# KiCad board GDI-STM.kicad_pcb (continued)
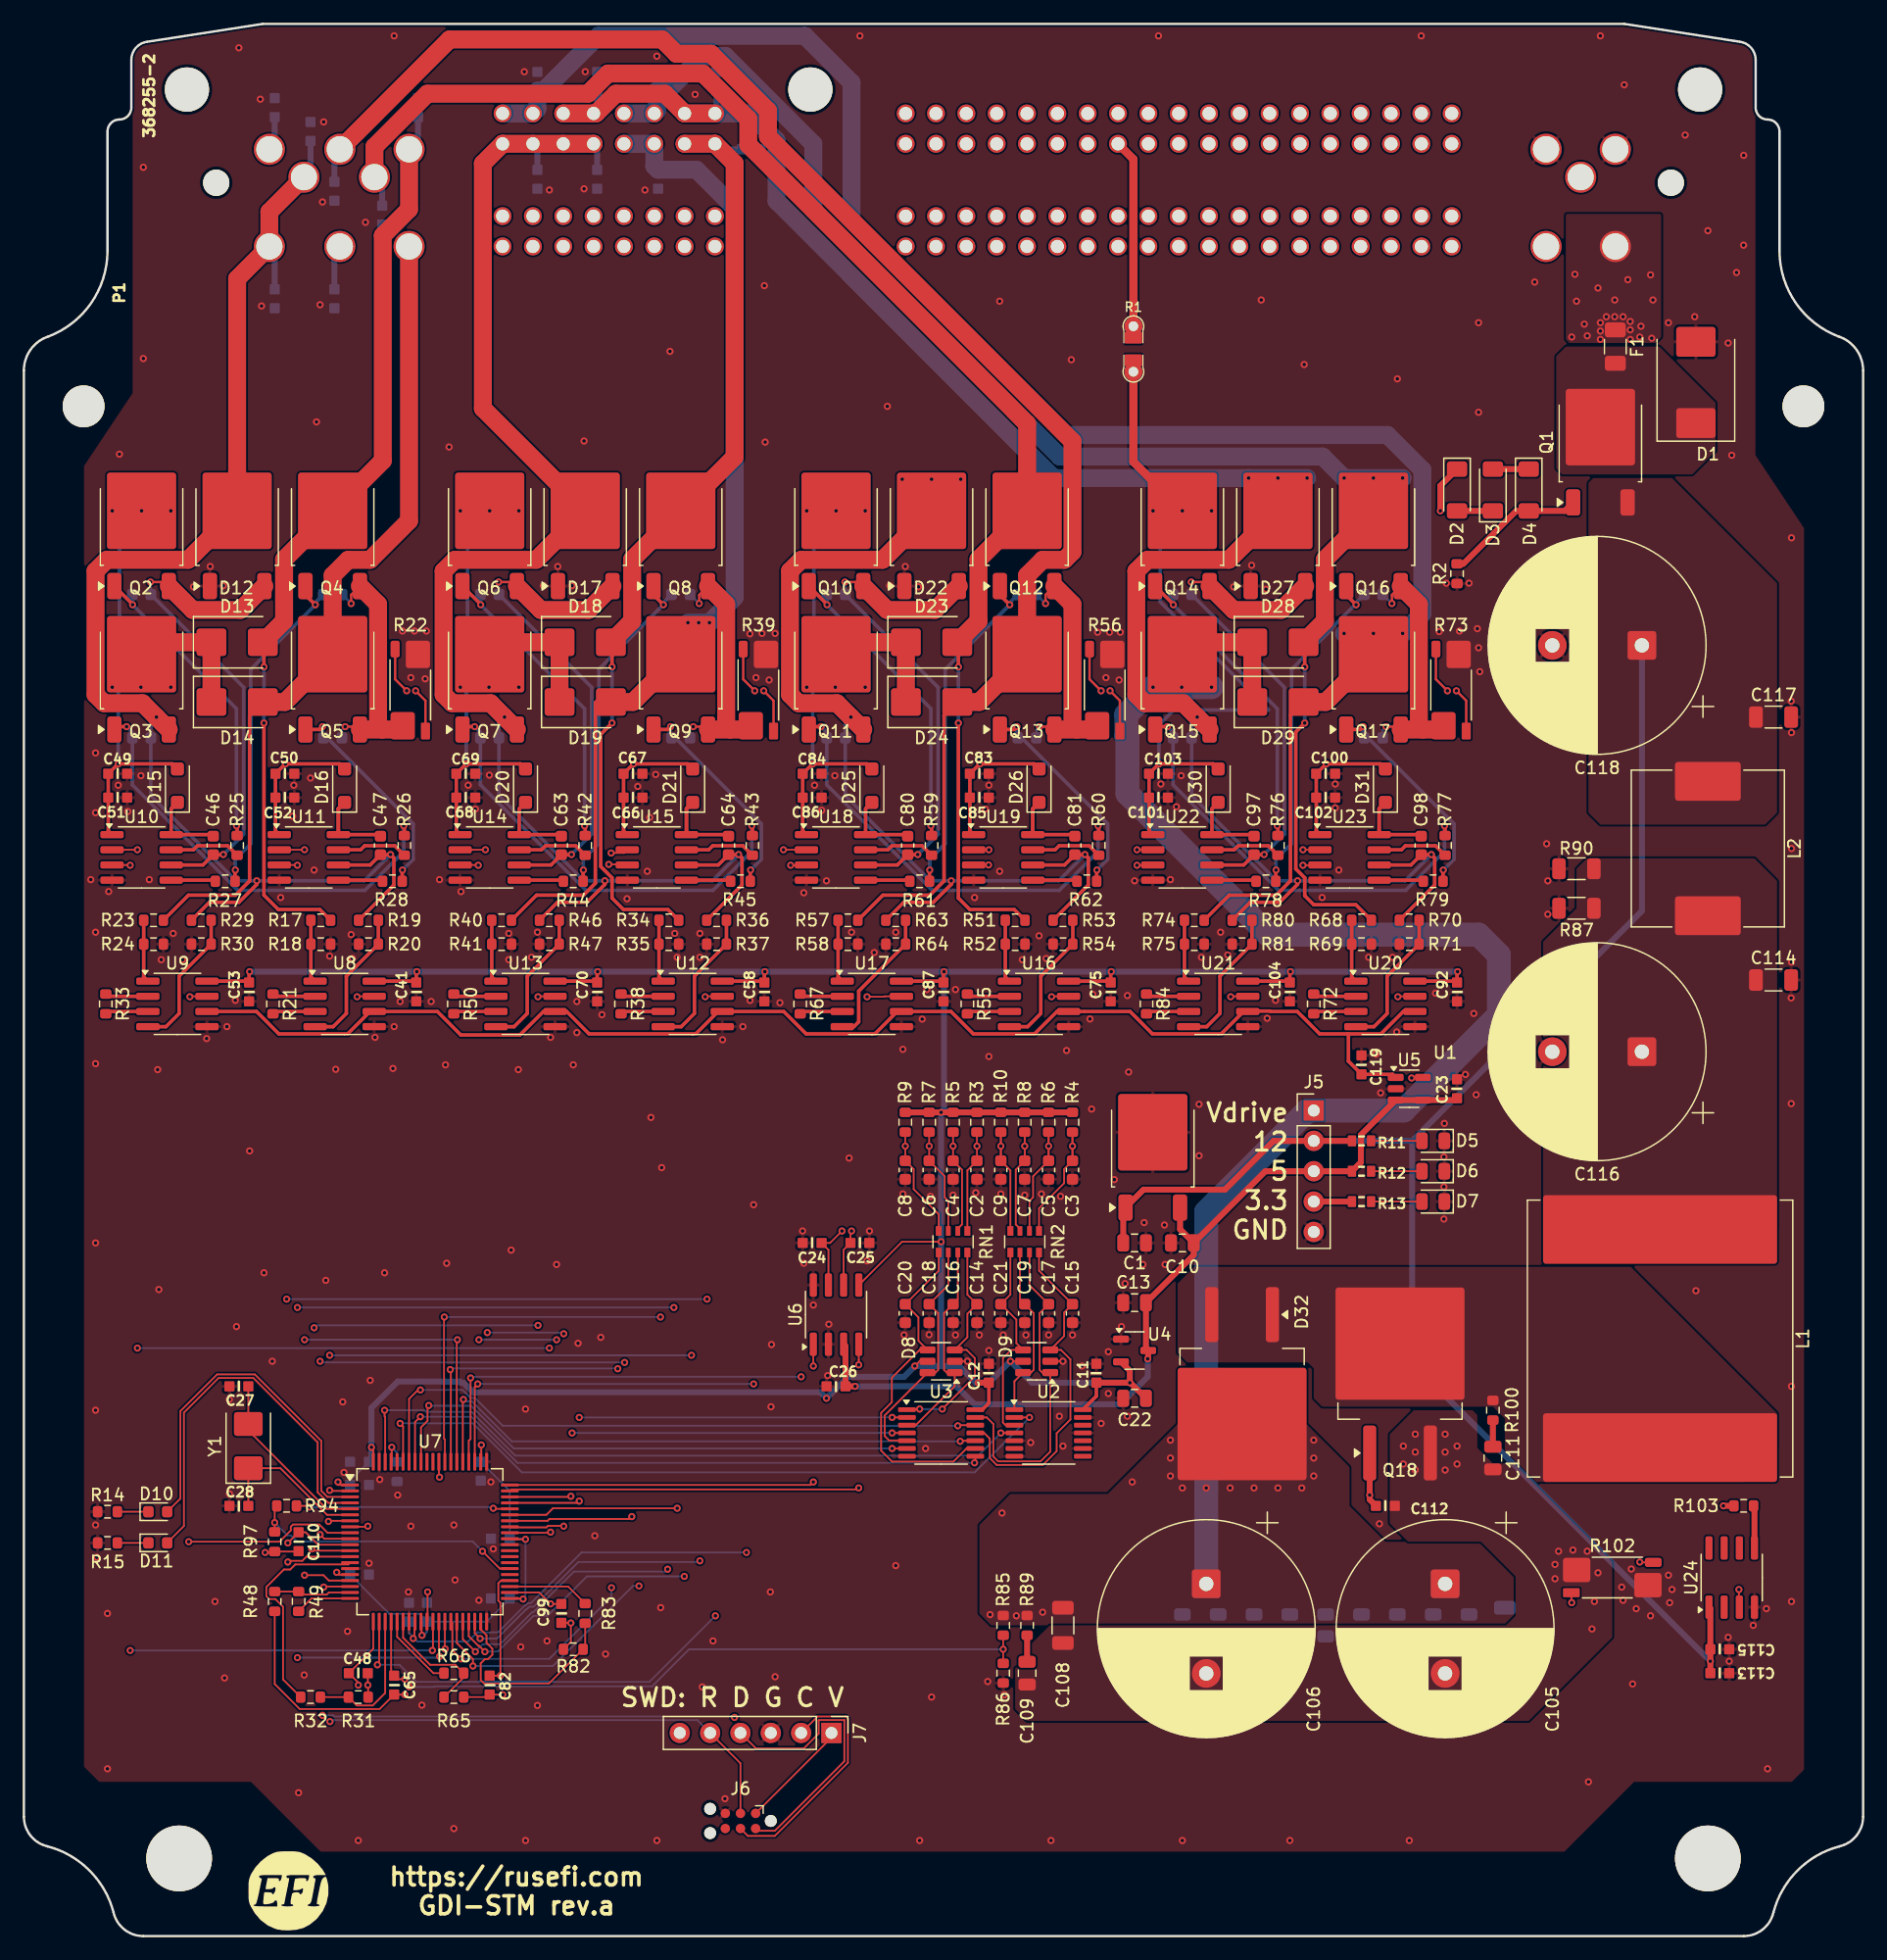
[diagram p0: board, top side]
## Nets (continued)
Net-(Q8-G): C61.2 Q8.1 R44.2
Net-(Q8-S): C61.1 C62.1 Q8.3 Q9.3 R39.1
Net-(Q9-G): C62.2 Q9.1 R45.2
Net-(Q10-G): C76.2 Q10.1 R59.2
Net-(Q10-S): C76.1 C80.2 D22.3 Q10.3 U18.6
Net-(Q11-G): C77.2 Q11.1 R60.2
Net-(Q12-G): C78.2 Q12.1 R61.2
Net-(Q12-S): C78.1 C79.1 Q12.3 Q13.3 R56.1
Net-(Q13-G): C79.2 Q13.1 R62.2
Net-(Q14-G): C93.2 Q14.1 R76.2
Net-(Q14-S): C93.1 C97.2 D27.3 Q14.3 U22.6
Net-(Q15-G): C94.2 Q15.1 R77.2
Net-(Q16-G): C95.2 Q16.1 R78.2
Net-(Q16-S): C95.1 C96.1 Q16.3 Q17.3 R73.1
Net-(Q17-G): C96.2 Q17.1 R79.2
Net-(Q18-G): C112.2 Q18.1 R103.1
Net-(R21-Pad1): R21.1 U8.2
Net-(R21-Pad2): R21.2 U8.3
Net-(R33-Pad1): R33.1 U9.2
Net-(R33-Pad2): R33.2 U9.3
Net-(R38-Pad1): R38.1 U12.2
Net-(R38-Pad2): R38.2 U12.3
Net-(R50-Pad1): R50.1 U13.2
Net-(R50-Pad2): R50.2 U13.3
Net-(R55-Pad1): R55.1 U16.2
Net-(R55-Pad2): R55.2 U16.3
Net-(R67-Pad1): R67.1 U17.2
Net-(R67-Pad2): R67.2 U17.3
Net-(R72-Pad1): R72.1 U20.2
Net-(R72-Pad2): R72.2 U20.3
Net-(R84-Pad1): R84.1 U21.2
Net-(R84-Pad2): R84.2 U21.3
Net-(RN1-R1.2): C14.2 D8.3 RN1.8 U3.1
Net-(RN1-R2.2): C16.2 D8.1 RN1.7 U3.3
Net-(RN1-R3.2): C18.2 D8.6 RN1.6 U3.5
Net-(RN1-R4.2): C20.2 D8.4 RN1.5 U3.9
Net-(RN2-R1.2): C15.2 D9.3 RN2.8 U3.11
Net-(RN2-R2.2): C17.2 D9.1 RN2.7 U3.13
Net-(RN2-R3.2): C19.2 D9.6 RN2.6 U2.1
Net-(RN2-R4.2): C21.2 D9.4 RN2.5 U2.3
Net-(U5-Vref): C29.2 U5.5 U7.28
Net-(U7-PF0): C27.1 U7.5 Y1.2
Net-(U7-PF1): C28.2 U7.6 Y1.1
Net-(U8-+): R19.2 R20.1 U8.4
Net-(U8--): R17.2 R18.1 U8.1
Net-(U9-+): R29.2 R30.1 U9.4
Net-(U9--): R23.2 R24.1 U9.1
Net-(U10-HO): R25.1 U10.7
Net-(U10-LO): R27.1 U10.5
Net-(U11-HO): R26.1 U11.7
Net-(U11-LO): R28.1 U11.5
Net-(U12-+): R36.2 R37.1 U12.4
Net-(U12--): R34.2 R35.1 U12.1
Net-(U13-+): R46.2 R47.1 U13.4
Net-(U13--): R40.2 R41.1 U13.1
Net-(U14-HO): R42.1 U14.7
Net-(U14-LO): R44.1 U14.5
Net-(U15-HO): R43.1 U15.7
Net-(U15-LO): R45.1 U15.5
Net-(U16-+): R53.2 R54.1 U16.4
Net-(U16--): R51.2 R52.1 U16.1
Net-(U17-+): R63.2 R64.1 U17.4
Net-(U17--): R57.2 R58.1 U17.1
Net-(U18-HO): R59.1 U18.7
Net-(U18-LO): R61.1 U18.5
Net-(U19-HO): R60.1 U19.7
Net-(U19-LO): R62.1 U19.5
Net-(U20-+): R70.2 R71.1 U20.4
Net-(U20--): R68.2 R69.1 U20.1
Net-(U21-+): R80.2 R81.1 U21.4
Net-(U21--): R74.2 R75.1 U21.1
Net-(U22-HO): R76.1 U22.7
Net-(U22-LO): R78.1 U22.5
Net-(U23-HO): R77.1 U23.7
Net-(U23-LO): R79.1 U23.5
Net-(U24-LO): R103.2 U24.5

Pads without a net: J6 6; J7 6; P1 3 5 6 7 8 9 10 12 13 14 15 16 17 18 19 20 21 22 23 24 25 26 27 28 29 31 32 33 34 35 36 37 38 39 42 43 50 54 55 56 57 58 59 60 61 62 63 64 65 66 67 68 69 70 71 72 73 74 75 76 77 78 79 80 81 98 99 100 101 102 103 104 105 106 107 108 109 110 111 112 113; U2 6 8 10 12; U7 45 47 48 49 70 71 76; U24 2 6 7 8

## Via types
v1: diameter 0.6, hole 0.3, Top to Bottom, 687 vias

## Routing (per net, layer and track width the routed paths; a pad name or vN(x,y) marks a point on that pad's centre or on a via; arc(x,y) is an arc through that point)
+3V3: length 398.5
  Top w0.15: U7.29 33.3,26.26 33.3,25.35 33.34,25.31 v1(33.34,25.16) ; D8.5 75,48.1 v1(74.6,47.7) ; U7.41 41.75,28.25 v1(41.8,28.2) ; v1(26.3,38) 26.3,37.8 26.35,37.75 U7.1 ; v1(29.1,40.9) 29.25,40.75 U7.80 ; U7.16 26.38,30.25 v1(26.19,30.44) ; D9.5 v1(82.6,48.1) ; v1(38.3,41.1) 38.3,39.74 U7.62 ; U7.51 40.74,33.2 v1(42,33.2) ; J6.1 67.62,16.62 J7.1 ; v1(76.8,58.1) 73.53,58.1 U6.5
  Top w0.3: v1(106.04,80.7) 106,80.66 C104.2 105.88,79.91 U21.8 ; U13.8 47.89,79.91 C70.2 48,80.66 v1(48.04,80.7) ; v1(77.04,80.7) 77,80.66 C87.2 76.88,79.91 U17.8 ; v1(18.9,80.7) 18.85,80.66 C53.2 18.74,79.91 U9.8 ; v1(32.9,80.7) 32.85,80.66 C41.2 32.74,79.91 U8.8 ; v1(120.04,80.7) 120,80.66 C92.2 119.88,79.91 U20.8 ; U12.8 61.88,79.91 C58.2 62,80.66 v1(62.04,80.7) ; U2.14 89.8,45.19 C11.2 ; U16.8 90.88,79.91 C75.2 91,80.66 v1(91.04,80.7) ; C12.2 80.8,44.6 80.25,44.05 U3.14
  Top w0.5: v1(79.9,46.3) 79.91,46.31 C12.2 ; C11.2 92.59,46.31 v1(92.6,46.3) ; v1(92.6,46.3) 92.6,47.31 U4.2 ; v1(92.6,46.3) 92.65,46.3 C22.2 93.9,45 ; R4.1 v1(76.8,68.92) R9.1 ; R13.2 J5.4
  PWR w0.15: v1(26.3,38) 26.19,37.89 v1(26.19,30.44)
  PWR w0.5: J5.4 108,61.21 93.09,46.3 v1(92.6,46.3) ; v1(67.2,45) 67.62,44.58 J7.1
  Bottom w0.15: C36.2 33.1,26.96 30.6,26.96 U7.16 27.26,30.2 26.43,30.2 v1(26.19,30.44) ; C36.2 38.75,26.31 U7.41 40.74,28.2 v1(41.8,28.2) 42,28.4 v1(42,33.2) 41.95,33.25 U7.51 40.69,37.25 U7.62 38.25,41.05 v1(38.3,41.1) ; C36.2 33.75,25.55 33.72,25.53 33.72,25.41 33.48,25.16 v1(33.34,25.16) ; v1(26.3,38) 26.6,37.7 27.26,37.7 U7.1 27.31,38.11 C30.2
  Bottom w0.5: v1(92.6,46.3) 84.4,46.3 v1(82.6,48.1) 80.8,46.3 v1(79.9,46.3) 79.7,46.3 78.3,47.7 76.8,47.7 ; 76.8,47.7 v1(74.6,47.7) 73.7,46.8 69,46.8 v1(67.2,45) 66.7,45.5 37.62,45.5 37.12,46 37.11,46 36.81,46.3 36.6,46.3 36.5,46.4 31.3,46.4 29.1,44.2 v1(29.1,40.9) 29.1,39.9 ; 76.8,47.7 v1(76.8,58.1) v1(76.8,68.92) 77.04,69.17 v1(77.04,80.7) ; v1(120.04,80.7) v1(106.04,80.7) v1(91.04,80.7) v1(77.04,80.7) ; v1(77.04,80.7) v1(62.04,80.7) v1(48.04,80.7) v1(32.9,80.7) v1(18.9,80.7)
+5V: length 271.1
  Top w0.5: U6.3 68.79,49.37 C26.2 v1(69.6,46) ; C23.2 119.84,69.95 U5.4 U5.3 111.95,67.04 111.95,64.75 R12.2 J5.3 103.95,64 C10.2 ; U1.3 96.8,59.14 C10.2 ; C10.2 97.95,57 C13.2 93.95,49.19 U4.3 94.14,48.34 v1(94.1,48.3)
  PWR w0.5: J5.3 110.2,64 144.2,98 144.2,135.74 125.34,154.6 73.3,154.6 72.3,153.6 72.3,143.6 73.2,142.7 84.6,142.7 85.82,143.92 P1.30 P1.11
  Bottom w0.5: v1(94.1,48.3) 94.1,46.81 91.79,44.5 79.6,44.5 78.1,46 v1(69.6,46)
/+12V_C:
  vias: v1(129.6,133.8) v1(129.87,139.05) v1(130,136.8) v1(130.65,134.88) v1(130.9,133.9) v1(131.8,137.9) v1(132,135) v1(132,134.3) v1(132,133.6) v1(132.5,135.5) v1(133.2,136.9) v1(133.2,135.5) v1(133.9,135.5) v1(134.3,138.6) v1(134.5,135.1) v1(134.5,134.4) v1(134.5,133.6) v1(135.3,133.8) v1(135.4,134.7) v1(136.2,139) v1(136.3,133.7) v1(136.4,136.9)
/Vinj1: length 47.6
  Top w0.15: U8.7 27.93,78.64 v1(27.9,78.6) ; v1(28.8,34.3) 28.75,34.25 U7.8
  PWR w0.15: v1(28.8,34.3) 27.9,35.2 v1(27.9,78.6)
/Vinj2: length 61.7
  Top w0.15: v1(13.9,78.6) 13.93,78.64 U9.7 ; U7.9 25.42,33.75 24.73,34.44 22.53,34.44 22.35,34.26 22.35,33.95 21.4,33 v1(13.8,33)
  PWR w0.15: v1(13.8,33) 13.9,33.1 v1(13.9,78.6)
/Vinj3: length 77.9
  Top w0.15: v1(24.8,33.6) 25.15,33.25 U7.10 ; v1(57.04,78.6) 57.08,78.64 U12.7
  PWR w0.15: v1(57.04,78.6) 50.3,71.86 v1(50.3,48) ; v1(24.8,48.1) 24.8,36.12 24.4,35.72 24.4,35.18 24.8,34.78 v1(24.8,33.6)
  Bottom w0.15: v1(50.3,48) 24.9,48 v1(24.8,48.1)
/Vinj4: length 70.2
  Top w0.15: v1(24.1,32.4) 24.25,32.25 U7.12 ; U13.7 43.08,78.64 v1(43.04,78.6)
  PWR w0.15: v1(24.1,32.4) 24.1,34.92 23.8,35.22 23.8,35.25 23.37,35.68 23.37,36.12 24.27,37.02 24.27,50.87 v1(24.3,50.9) ; v1(43.04,78.6) v1(43.04,51.1)
  Bottom w0.15: v1(24.3,50.9) 24.5,51.1 v1(43.04,51.1)
/Vinj5: length 109.1
  Top w0.15: v1(86.04,78.6) 86.08,78.64 U16.7 ; v1(22.1,31.3) 22.2,31.4 23.31,31.4 23.66,31.75 U7.13
  PWR w0.15: v1(22.1,31.3) 22,31.4 22,31.92 22.72,32.64 22.72,33.16 22,33.88 v1(22,53.3) ; v1(57.2,53.3) 57.2,62.02 73.78,78.6 v1(86.04,78.6)
  Bottom w0.15: v1(57.2,53.3) v1(22,53.3)
/Vinj6: length 93.8
  Top w0.15: U7.17 25.53,29.75 25.08,30.2 v1(23.5,30.2) ; v1(70.6,78.6) 72.04,78.6 72.08,78.64 U17.7
  PWR w0.15: v1(22.9,52.6) 22.9,49.76 23.07,49.58 23.07,35.56 23.5,35.13 v1(23.5,30.2) ; v1(54.42,52.6) 54.42,62.42 v1(70.6,78.6)
  Bottom w0.15: v1(54.42,52.6) v1(22.9,52.6)
/Vinj7: length 154.6
  Top w0.15: U7.18 25.15,29.25 v1(25.1,29.2) ; U20.7 115.08,78.64 v1(115.04,78.6)
  PWR w0.15: v1(25,18.47) 25.1,18.57 v1(25.1,29.2) ; v1(115.04,78.6) 109.1,78.6 105.4,74.9 73.3,74.9 59.5,61.1 v1(59.5,18.3)
  Bottom w0.15: v1(59.5,18.3) 59.42,18.38 26.01,18.38 25.91,18.47 v1(25,18.47)
/Vinj8: length 121.7
  Top w0.15: v1(101.04,78.6) 101.08,78.64 U21.7 ; v1(29.6,22.7) 29.75,22.85 U7.22
  PWR w0.15: v1(101.04,78.6) 100.44,78 73.6,78 57.9,62.3 v1(57.9,26.8)
  Bottom w0.15: v1(57.9,26.8) 52.37,21.27 32.87,21.27 31.44,22.7 v1(29.6,22.7)
/VinM1: length 12.1
  Top w0.15: U7.23 30.25,20.34 29.21,19.3 27.88,19.3 R31.1 R32.2
/VinM2: length 6.5
  Top w0.15: U7.19 25.53,28.75 25.36,28.57 23.25,28.57 R49.2 R48.1
/VinM3: length 10.3
  Top w0.15: U7.26 31.75,24.97 34.02,22.7 36.12,22.7 R66.2 36.82,21.65 R65.1
/VinM4: length 18
  Top w0.15: U7.39 38.25,25.67 38.73,25.18 38.73,24.55 39.22,24.06 39.22,23.54 38.86,23.18 38.6,23.18 38.25,22.83 38.25,21.42 38.53,21.14 43.96,21.14 R82.1 47,24.18 R83.2
/VinMboost: length 23.5
  Top w0.15: v1(38.4,32.2) 39.85,30.75 U7.46 ; R97.1 v1(21,34.6) 21,35.82 R94.2
  Bottom w0.15: v1(38.4,32.2) 37.57,33.03 22.86,33.03 22.36,33.53 22.07,33.53 v1(21,34.6)
/VinP1: length 96.8
  Top w0.15: U7.21 29.25,24.04 C48.2 28,21.21 v1(28,21)
  Top w0.2: R22.2 33.62,103.38 v1(32.8,104.2)
  PWR w0.15: v1(32.8,104.2) 32.8,81.34 32.37,80.92 32.37,79.33 32.5,79.2 32.5,35.7 30.6,33.8 30.6,22.06 29.02,20.47 28.53,20.47 v1(28,21)
/VinP2: length 109.1
  Top w0.15: v1(31.9,21.5) 31.29,21.5 C65.2 30.75,22.04 U7.24
  Top w0.2: R39.2 62.77,103.38 v1(61.94,104.2)
  PWR w0.15: v1(61.94,104.2) 61.94,104.14 47.82,90.02 47.82,83.22 47.5,82.9 47.5,34.9 38.12,25.53 37.94,25.53 37.57,25.16 37.57,24.97 32.27,19.67 31.63,19.67 31.3,20 31.3,20.9 v1(31.9,21.5)
/VinP3: length 126.7
  Top w0.15: C82.2 39.9,21.79 39.9,27.89 39.72,28.07 39.72,29.52 39.95,29.75 U7.44
  Top w0.2: v1(90.94,104.2) 91.77,103.38 R56.2
  PWR w0.15: v1(39.9,21.8) 39.57,21.47 39.57,19.98 39.88,19.67 40.47,19.67 42.9,22.1 42.9,27.34 43.88,28.33 52.13,28.33 52.5,28.7 52.5,64.6 90.94,103.05 v1(90.94,104.2)
/VinP4: length 146.7
  Top w0.15: U7.42 43.15,28.75 44.11,27.79 C99.2
  Top w0.2: v1(119.94,104.2) 120.77,103.38 R73.2
  PWR w0.15: v1(44.1,27.8) 44.1,27.16 45.66,25.6 58,25.6 58.8,26.4 58.8,61.7 73,75.9 104.7,75.9 119.77,90.97 119.77,93.24 119.49,93.52 119.49,103.75 v1(119.94,104.2)
/VinPboost: length 136.7
  Top w0.15: U7.11 24.63,32.75 23.59,33.79 C110.2 22.11,32.9 v1(22.1,32.9) ; v1(129.6,27.9) 129.57,27.93 R102.2
  PWR w0.15: v1(129.6,27.9) 116.2,14.5 26.9,14.5 20.7,20.7 20.7,31.5 v1(22.1,32.9)
GND: length 2.1
  Top w0.15: D9.2 v1(87,48.1) ; D8.2 v1(79,48.1)
  vias: v1(5.6,88.4) v1(6,99) v1(6,94) v1(6,84) v1(6,73) v1(6,58) v1(6,44) v1(6,34.4) v1(6.1,31.7) v1(7,27) v1(7,14) v1(7.1,87.4) v1(7.9,96.3) v1(8,124) v1(8.7,94.1) v1(9.8,97.1) v1(10,148) v1(10,132) v1(10.5,88.4) v1(11.2,72.5) v1(11.3,54.1) v1(11.5,81.7) v1(12.5,83.9) v1(13.3,81.7) v1(14.2,112.9) v1(15.3,75.1) v1(15.6,114.6) v1(16,28) v1(16.7,113) v1(16.8,21.6) v1(17,76.1) v1(17.2,44.9) v1(17.21,37) v1(17.7,78.3) v1(17.8,51) v1(18,158) v1(18.9,65.7) v1(19.8,153.7) v1(19.9,136.4) v1(20.1,55.5) v1(20.8,48.1) v1(21.5,86.9) v1(22.5,93.7) v1(22.6,96.3) v1(23,12) v1(23.47,21.85) v1(24,96.9) v1(24.3,89.2) v1(24.5,126.7) v1(24.8,136.5) v1(25,145.1) v1(25.1,151.8) v1(25.28,54.87) v1(25.6,82) v1(26.11,72.53) v1(26.7,44.7) v1(26.8,38.8) v1(27.1,25.5) v1(27.4,83.8) v1(27.5,81.8) v1(28,8) v1(28.6,143.4) v1(28.9,31.2) v1(29,46.5) v1(29.4,75.2) v1(29.8,38.2) v1(30.2,55.5) v1(30.9,72.6) v1(31,159) v1(31,76.1) v1(31.3,36.9) v1(31.5,78.2) v1(31.7,109.2) v1(32.2,28.8) v1(32.4,105.3) v1(32.4,34.3) v1(32.7,109.2) v1(33.33,19.32) v1(33.6,105.2) v1(33.7,109.2) v1(34.1,78.2) v1(34.8,88.4) v1(35.3,72.9) v1(35.4,56.3) v1(35.6,124.6) v1(36,34.4) v1(36,9) v1(36.1,29.8) v1(36.6,87.4) v1(37.2,96.3) v1(37.8,94.3) v1(38.1,28.1) v1(38.97,97.14) v1(39.1,38) v1(39.3,32.4) v1(40.6,83.9) v1(40.6,81.7) v1(40.8,57.4) v1(41.4,72.5) v1(41.6,24.2) v1(41.9,156) v1(42,44.1) v1(42,8) v1(42.5,81.9) v1(43,84) v1(43,19.3) v1(43.5,113) v1(43.8,24.7) v1(44,146.1) v1(44.1,75.2) v1(44.6,56.2) v1(44.7,114.6) v1(45.9,113) v1(46,72.9) v1(46.3,78.2) v1(46.3,75.6) v1(46.4,49.6) v1(46.9,146.2) v1(46.9,125.1) v1(47,156) v1(47.8,33.5) v1(48.3,50.1) v1(48.4,77.1) v1(48.7,23.6) v1(50.5,86.8) v1(51.4,96.2) v1(52,146.1) v1(52.2,89.1) v1(52.4,93.6) v1(52.5,68.5) v1(52.9,97.2) v1(53,157.3) v1(53,8) v1(53.32,27.48) v1(53.4,64.3) v1(54.1,132.6) v1(54.5,83.9) v1(54.7,81.9) v1(56.2,154.1) v1(56.6,83.9) v1(56.6,81.9) v1(56.8,20.85) v1(57.7,24.7) v1(58.5,75) v1(58.7,11.5) v1(60.2,76.1) v1(60.79,108.97) v1(60.8,78.3) v1(61.1,61.2) v1(61.3,105.3) v1(61.8,109) v1(62,138.1) v1(62.07,125.01) v1(62.4,105.1) v1(62.5,28.8) v1(62.6,49.5) v1(62.55,44.29) v1(62.9,109) v1(62.9,21.7) v1(63.3,78.1) v1(65.2,59) v1(65.3,87.3) v1(65.3,56.3) v1(66.1,52.8) v1(66.2,96.3) v1(66.8,94.2) v1(67.2,88.3) v1(67.3,46.9) v1(67.4,51.2) v1(67.9,97.1) v1(69.1,65.1) v1(69.3,84) v1(70,159) v1(70.6,56.5) v1(70.8,59) v1(71.2,82.3) v1(72.3,128) v1(72.5,113) v1(73,84) v1(73,31) v1(73.6,74.2) v1(73.6,62.1) v1(73.7,50.3) v1(73.8,114.6) v1(74.9,112.9) v1(75,8) v1(75.21,76.73) v1(75.5,40.8) v1(75.6,79.2) v1(75.79,50.32) v1(75.9,61.9) v1(76,20) v1(77.8,62) v1(78,79.2) v1(78,50.3) v1(79.6,86.9) v1(79.7,62.2) v1(80,50.3) v1(80.5,94.3) v1(80.7,21.3) v1(80.8,96.3) v1(80.8,73.6) v1(80.8,49) v1(81.7,136.8) v1(81.7,89.1) v1(81.8,62.1) v1(82,50.3) v1(82.1,20.2) v1(83.6,81.7) v1(83.8,62) v1(83.9,50.3) v1(84.3,41.3) v1(85,83.7) v1(85.2,62.1) v1(85.6,81.8) v1(85.8,50.3) v1(86,8) v1(86.7,43.5) v1(86.8,61.9) v1(87,41) v1(87.3,74.1) v1(87.7,131.9) v1(87.8,50.3) v1(88.6,47.7) v1(89.26,76.74) v1(89.4,69.2) v1(89.5,78.8) v1(89.9,109.1) v1(90.2,42.9) v1(90.6,105.3) v1(90.8,48.9) v1(90.8,45.4) v1(90.9,109.1) v1(91.3,63.3) v1(91.7,105.1) v1(91.8,109.1) v1(91.9,51) v1(92.2,54.6) v1(92.4,78.7) v1(92.4,43.5) v1(92.5,72.3) v1(93,88.3) v1(93.7,56.2) v1(93.8,59.7) v1(95,159) v1(95.2,96.4) v1(95.5,59.5) v1(95.55,56.2) v1(96,88.4) v1(96.5,94.5) v1(96.9,97.1) v1(97,8) v1(98.4,69.6) v1(98.4,65.3) v1(98.6,81.9) v1(100.2,84) v1(100.8,82.1) v1(101.3,112.9) v1(102.8,114.7) v1(103.6,136.9) v1(104,112.7) v1(104.1,76.8) v1(104.8,78.3) v1(106,8) v1(107.2,131.5) v1(108.7,86.9) v1(109.8,96.4) v1(109.8,94.4) v1(110.1,89.2) v1(112.6,81.9) v1(113.2,73.8) v1(113.5,34.5) v1(113.6,70.56) v1(114.6,81.9) v1(114.95,75.65) v1(115,130.3) v1(116,8) v1(117,159) v1(118.2,78.9) v1(118.5,109.15) v1(118.94,68) v1(118.9,65.2) v1(118.9,62.7) v1(118.9,60) v1(119.1,113.2) v1(120.2,109.2) v1(120.7,72.1) v1(121,113.21) v1(121.4,77.2) v1(121.6,70.4) v1(121.7,109.4) v1(121.8,135) v1(121.8,127.5) v1(121.8,107.8) v1(121.9,105.8) v1(126.5,138.4) v1(127.5,91.4) v1(127.6,88.3) v1(127.6,85.5) v1(131,12.91) v1(132,159) v1(133.78,29.2) v1(133.9,28.1) v1(134,154.9) v1(134.59,30.72) v1(134.7,21.1) v1(135,27.4) v1(136.2,26.8) v1(137.7,135) v1(137.7,30.2) v1(137.8,27.9) v1(138,29) v1(139.1,150.7) v1(139.9,135.5) v1(140,54) v1(141,142.7) v1(142.7,133.3) v1(142.7,25) v1(142.79,23) v1(143,123.91) v1(143.4,139.2) v1(144,149) v1(143.99,141.48) v1(144.8,26) v1(145.9,27.4) v1(146,14) v1(148,117) v1(147.97,103.33) v1(148,100.7) v1(148,91) v1(148,81.5) v1(147.97,78.5) v1(147.98,69.66) v1(148,46) v1(148,28)
+BATT: length 537.8
  Top w0.3: D30.2 99.57,98.09 v1(95.04,98.09) 95.04,98.09 C103.2 C101.2 94.21,92.48 U22.1 ; D26.2 84.57,98.09 v1(80.04,98.09) 80.04,98.09 C83.2 C85.2 79.21,92.48 U19.1 ; U14.1 36.21,92.48 C68.2 C69.2 37.04,98.09 v1(37.04,98.09) 41.57,98.09 D20.2 ; U23.1 108.21,92.48 C102.2 C100.2 109.04,98.09 v1(109.04,98.09) 113.57,98.09 D31.2 ; D16.2 26.43,98.09 v1(21.9,98.09) 21.89,98.09 C50.2 C52.2 21.06,92.48 U11.1 ; D15.2 12.43,98.09 v1(7.9,98.09) 7.89,98.09 C49.2 C51.2 7.06,92.48 U10.1 ; D25.2 70.57,98.09 v1(66.04,98.09) 66.04,98.09 C84.2 C86.2 65.21,92.48 U18.1 ; D21.2 55.57,98.09 v1(51.04,98.09) 51.04,98.09 C67.2 C66.2 50.21,92.48 U15.1
  Top w0.5: R11.2 J5.2 104.64,66.54 100.56,62.46 93.75,62.46 U1.1 92.05,60.77 C1.2 ; D2.1 118.6,121.35 v1(118.6,119.26) ; C113.2 v1(141.21,23) C115.2 141.21,27.41 U24.1
  Top w0.7: v1(97,119.26) 92.9,123.36 92.9,130.9
  PWR w0.5: v1(37.04,98.09) v1(51.04,98.09) ; v1(66.04,98.09) v1(80.04,98.09) ; v1(95.04,98.09) v1(109.04,98.09) ; v1(7.9,98.09) v1(21.9,98.09)
  PWR w2: v1(7.4,119.26) v1(99.44,119.26) v1(118.6,119.26) 124.22,119.26 C118.1
  Bottom w0.3: v1(7.9,98.09) 7.9,104.15 8,104.25 8,118.66 v1(7.4,119.26) ; v1(36.54,119.26) 37.15,118.66 37.15,104.25 37.04,104.15 v1(37.04,98.09) ; v1(65.54,119.26) 66.15,118.66 66.15,104.25 66.04,104.15 v1(66.04,98.09) ; v1(94.54,119.26) 95.15,118.66 95.15,111.65 96,110.8 96,110.8 104.2,102.6 96.29,102.6 95.04,101.35 v1(95.04,98.09)
  Bottom w0.5: 116.24,66.54 135.48,85.78 C118.1 ; 116.24,66.54 116.24,47.97 v1(141.21,23) ; 116.24,66.54 J5.2
  vias: v1(9.85,119.26) v1(12.3,119.26) v1(39,119.26) v1(41.44,119.26) v1(68,119.26) v1(70.44,119.26)
/BANK1/REF: length 118.9
  Top w0.3: U5.1 114.6,72.11 C119.2 110.9,73.21 110.9,75.49 ; 110.9,75.49 113.63,75.49 115.5,77.36 U20.6 ; 110.9,75.49 108.49,75.49 106.62,77.36 104.38,77.36 104.35,77.4 102.51,77.4 U21.6 102.13,77.36 100.26,75.49 94.49,75.49 92.62,77.36 U16.6 86.5,77.36 84.63,75.49 79.49,75.49 77.62,77.36 U17.6 73.13,77.36 71.26,75.49 65.49,75.49 63.62,77.36 U12.6 58.13,77.36 56.26,75.49 47.32,75.49 45.45,77.36 U13.6 43.5,77.36 41.53,75.4 36.59,75.4 34.62,77.36 U8.6 28.98,77.36 27.11,75.49 21.35,75.49 19.48,77.36 U9.6
/BOOST/Vdrive_shunt:
  vias: v1(115.5,41) v1(115.5,39.5) v1(116.5,42) v1(116.5,40.5) v1(116.5,39) v1(119,42) v1(119,40.5) v1(119,39) v1(120,41) v1(120,39.5) v1(128.2,31.1) v1(128.2,29.9) v1(128.5,32.2) v1(129.7,32.3) v1(130.9,32.2) v1(131.3,25.7) v1(131.5,28) v1(131.8,30.4)
/BOOST_PWM: length 147.9
  Top w0.15: v1(34.8,38.4) 34.75,38.45 U7.69 ; U24.3 143.6,27.56 v1(143.6,29)
  PWR w0.15: v1(34.8,38.4) 34.8,34.7 30.9,30.8 30.9,16.7 32.4,15.2 115.5,15.2 132.6,32.3 140.3,32.3 v1(143.6,29)
